# Altium PCB OCP-TimeCardMini-TI_V1.PcbDoc (part 7 of 11)
Units mil, origin at the board's own origin, x right, y up, seen from the top; angles counter-clockwise.
Board outline 5300.46 x 4396.02 mil, 10 copper layers (L01-TOP, L02-GND, L03-SIG, L04-GND, L05-PWR, L06-PWR, L07-GND, L08-SIG, L09-GND, L10-BOT), stack 77.164 mil thick; 832 components, 574 nets, 2904 pads, 1473 vias.
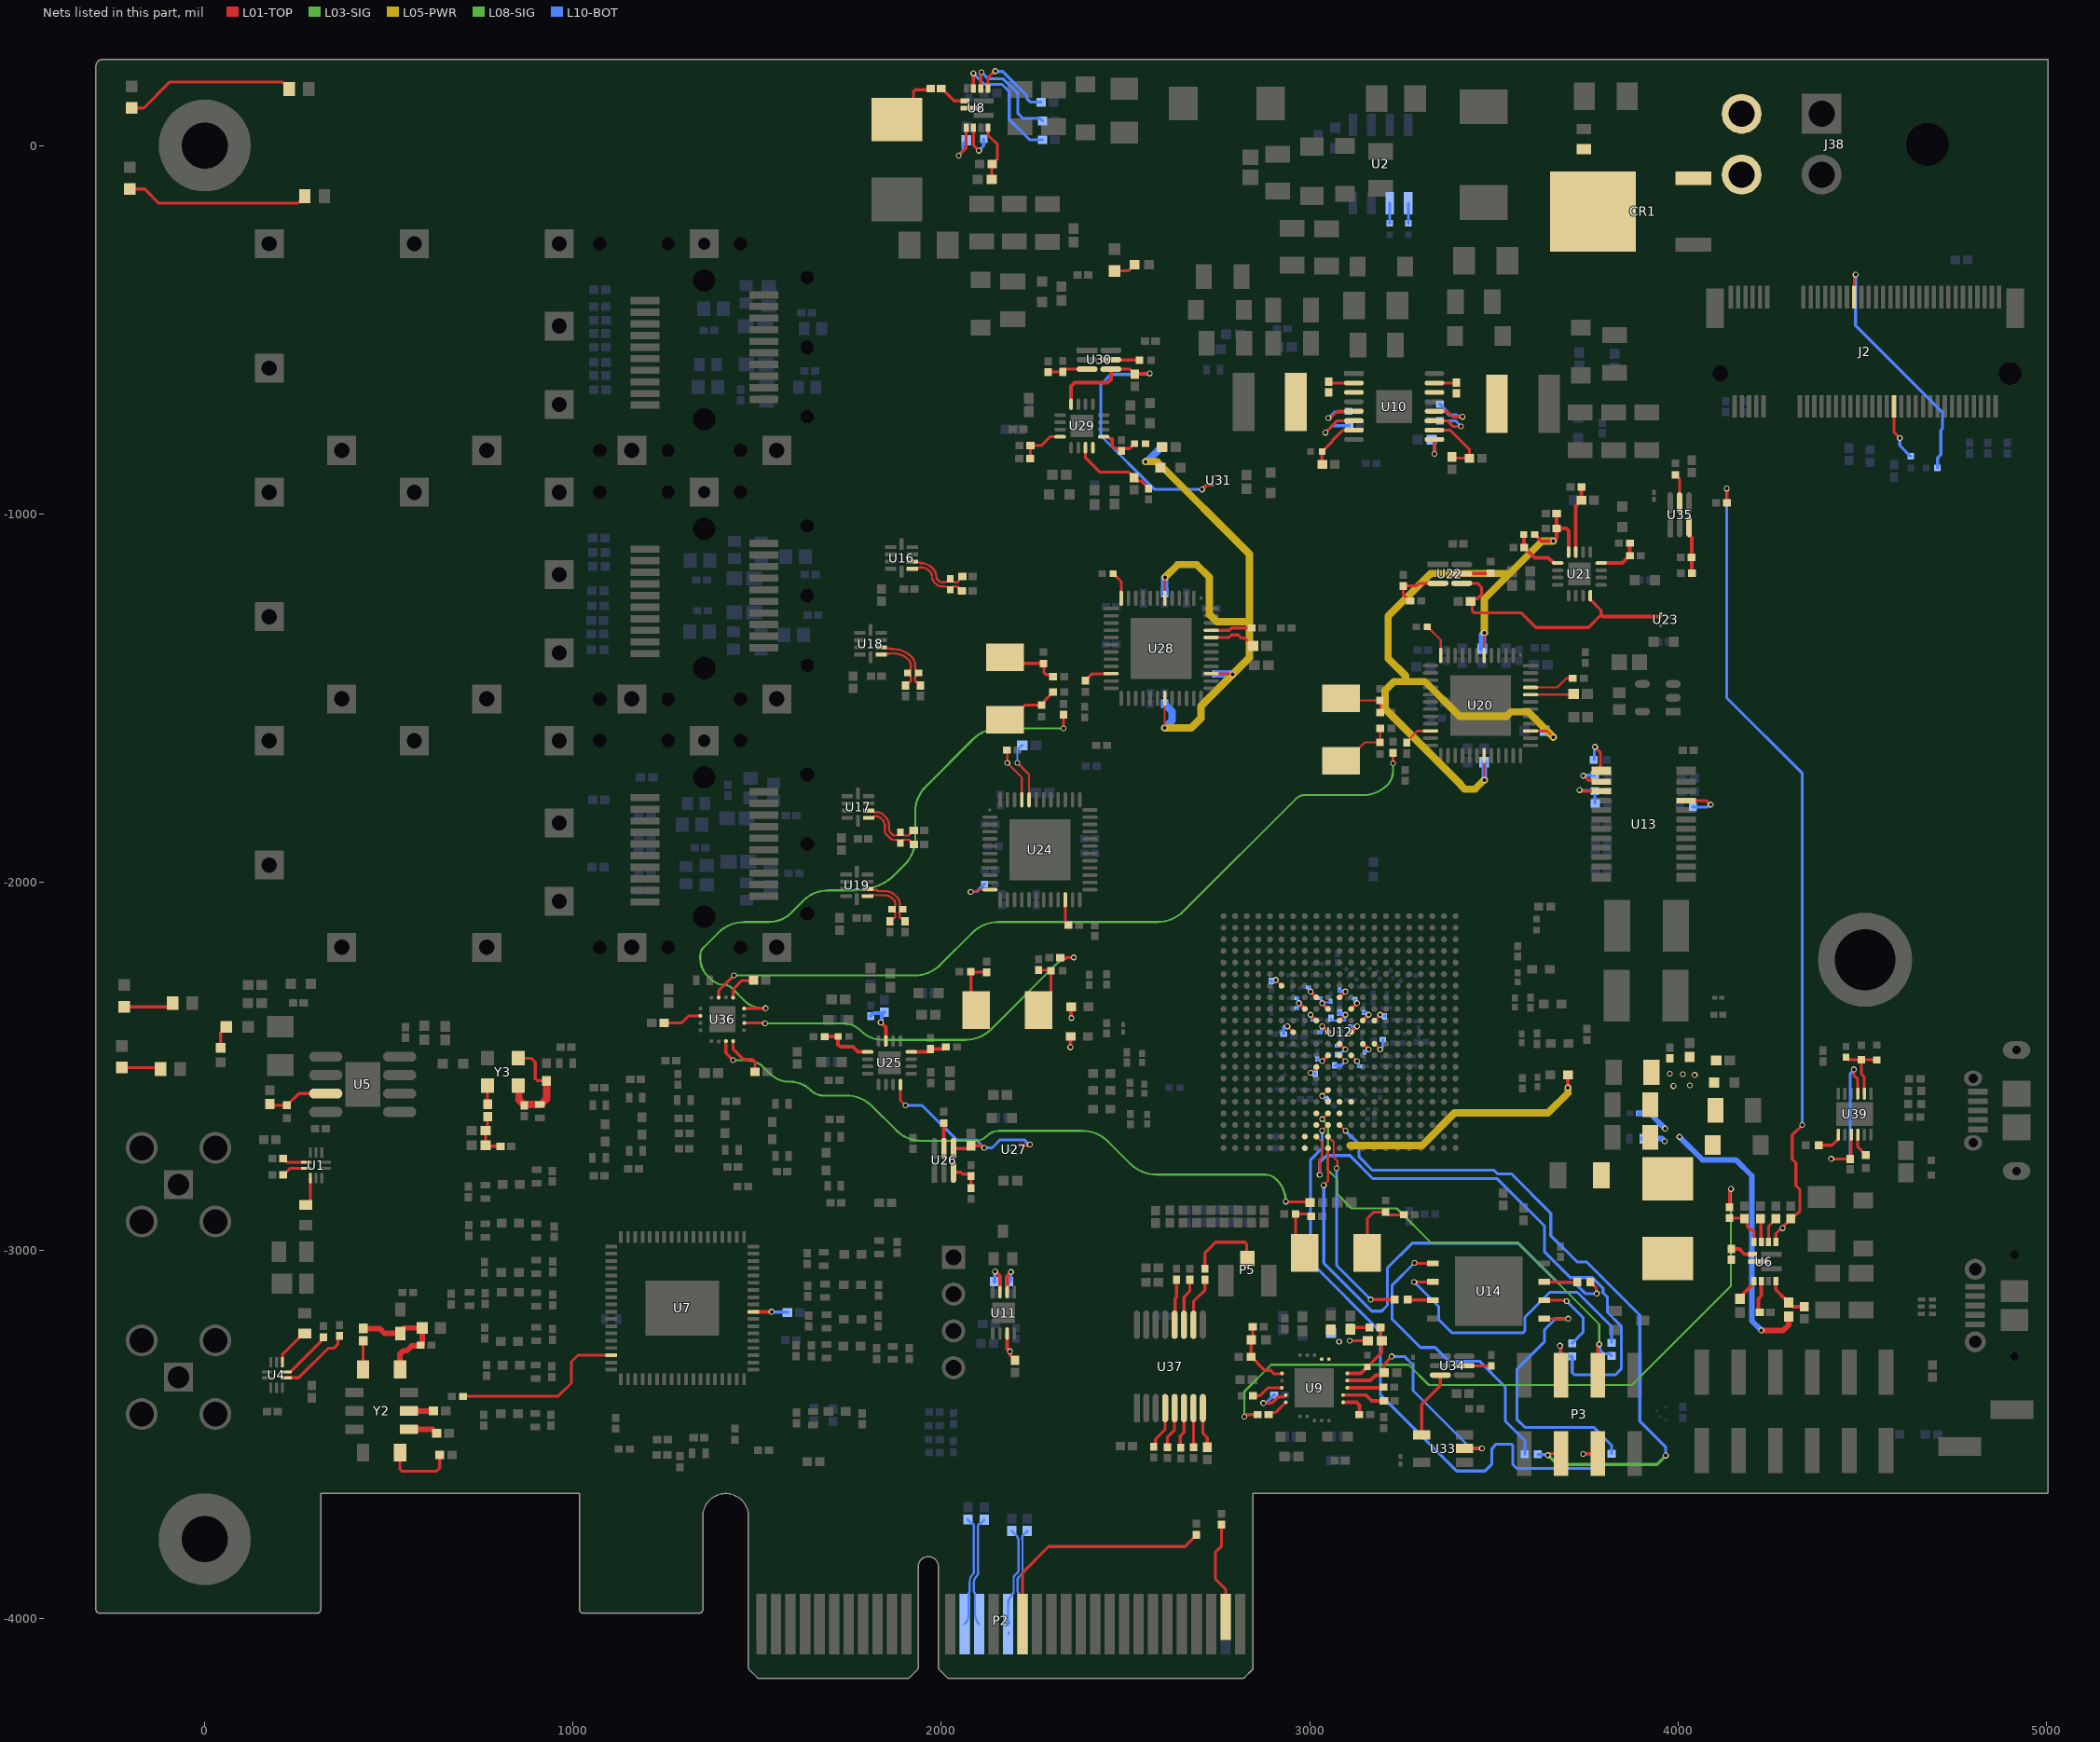
[diagram p15: the nets of this part, all layers, seen from the top]

## Via types
v1: diameter 16, hole 10, L01-TOP to L10-BOT, 1131 vias
v2: diameter 16, hole 10, L01-TOP to L10-BOT, tented both sides, 213 vias
v3: diameter 16, hole 10, L01-TOP to L10-BOT, tented top, 116 vias
v4: diameter 23.62, hole 11.81, L01-TOP to L10-BOT, 9 vias
v5: diameter 25.98, hole 12.99, L01-TOP to L10-BOT, tented top, 4 vias

## Nets (pads, with @x,y where several pads share a name; then routed paths per layer and width w, separated by ;. In a path a pad name is that pad's centre, name@x,y a point inside that pad or via, vN(x,y) a via of type N, cw(c..) or ccw(c..) an arc to the next point about the centre after c; other vN are vias at no path point) (continued)
NetC44_1: C44.1 P2.A13 | length 298.2
  L10-BOT w6: P2.A13@2062.99,-4014.27 ccw(c2036.44,-3987.71) 2073.99,-3987.71 2073.99,-3933.71 cw(c2083.78,-3933.71) 2076.86,-3926.8 2076.86,-3901.77 cw(c2112.42,-3901.77) 2087.27,-3876.62 ; C44.1@2071.96,-3730.81 ccw(c2073.86,-3730.81) 2072.51,-3732.15 2080.39,-3740.03 ccw(c2083.2,-3737.23) 2083.2,-3741.2 cw(c2083.2,-3745.16) 2086,-3742.36 cw(c2080.32,-3748.04) 2088.35,-3748.04 2088.35,-3874.06 cw(c2084.78,-3874.06) 2087.31,-3876.59
NetC45_1: C45.1 P2.A14 | length 298.1
  L10-BOT w6: P2.A14@2102.36,-4014.27 cw(c2128.92,-3987.71) 2091.36,-3987.71 2091.36,-3934.07 ccw(c2081.07,-3934.07) 2088.35,-3926.8 2088.35,-3901.82 cw(c2112.53,-3901.82) 2095.43,-3884.72 2095.48,-3884.66 ccw(c2084.95,-3874.14) 2099.84,-3874.14 2099.84,-3748.27 cw(c2107.73,-3748.27) 2102.15,-3742.69 cw(c2105.06,-3745.6) 2105.06,-3741.49 ccw(c2105.06,-3737.38) 2107.97,-3740.28 2115.8,-3732.45 ccw(c2114.46,-3731.1) C45.1@2116.36,-3731.1
NetC46_1: C46.1 P2.A16 | length 278.7
  L10-BOT w5: P2.A16@2181.89,-4041 ccw(c2178.22,-4037.33) P2.A16@2183.41,-4037.33
  L10-BOT w6: P2.A16@2181.1,-4014.27 2181.1,-3963.24 cw(c2223.28,-3963.24) 2193.46,-3933.41 ccw(c2186.86,-3926.82) 2196.19,-3926.82 2196.19,-3887.33 cw(c2201.55,-3887.33) 2197.76,-3883.53 2207.58,-3873.71 ccw(c2203.32,-3869.49) 2209.32,-3869.49 2209.32,-3787.62 ccw(c2191.39,-3787.62) 2204.07,-3774.95 2191.88,-3762.76 cw(c2193.23,-3761.42) C46.1@2191.32,-3761.42
  L10-BOT w8: P2.A16@2181.1,-4014.27 ccw(c2175.53,-4008.7) P2.A16@2183.41,-4008.7
NetC47_1: C47.1 P2.A17 | length 283.1
  L10-BOT w6: P2.A17@2220.47,-4014.27 cw(c2247.03,-3987.71) 2209.47,-3987.71 2209.47,-3932.34 ccw(c2201.67,-3932.34) 2207.19,-3926.82 2207.19,-3892.33 cw(c2213.19,-3892.36) 2208.47,-3888.65 cw(c2231.3,-3906.72) 2210.71,-3886.13 2220.26,-3876.59 ccw(c2220.11,-3876.45) 2220.31,-3876.45 2220.32,-3787.62 ccw(c2191.39,-3787.62) 2219.37,-3780.29 cw(c2225.19,-3778.81) 2220.26,-3775.39 2220.56,-3774.95 2232.75,-3762.76 ccw(c2231.4,-3761.42) C47.1@2233.3,-3761.42
  L10-BOT w8: P2.A17@2220.47,-4014.27 ccw(c2206.14,-3999.93) P2.A17@2226.41,-3999.93
NetC62_1: C62.1 L1.1 U6.8
NetC62_2: C62.2 U6.7 | length 63.8
  L01-TOP w10: C62.2@4144.81,-2996.09 4166.49,-2996.09 4180.88,-3010.48 U6.7@4202.68,-3010.48
NetC150_1: C150.1 C151.2 FB5.1 R82.1 Y2.10 | length 331.8
  L01-TOP w15: R82.1@430.14,-3211.82 474.86,-3211.82 488.11,-3225.06 530.79,-3225.06 FB5.1@531.32,-3225.59 531.32,-3220.67 541.48,-3210.51 C150.1@590.36,-3210.51 590.36,-3254.57 587.26,-3257.67 C151.2@585.94,-3257.67 584.14,-3259.47 561.74,-3259.47 548.78,-3272.43 538.92,-3272.43 530.14,-3281.22 Y2.10@530.14,-3322.59
NetC152_1: C152.1 R87.1 R88.2 R89.2 | length 122.2
  L01-TOP w8: R88.2@767.98,-2636.63 767.98,-2669.33 R87.1@762.3,-2675.01 R89.2@762.3,-2714.38 764.94,-2717.03 C152.1@803.26,-2717.03
NetC155_1: C155.1 C156.1 L19.2 Y3.1 Y3.6 | length 305.8
  L01-TOP w8: Y3.1@850.66,-2478.2 886.63,-2478.2 897.22,-2488.79 897.22,-2533.32 903.12,-2539.23 L19.2@928.12,-2539.23
  L01-TOP w20: Y3.6@850.66,-2553.01 853.13,-2555.48 853.13,-2590.77 C156.1@867.15,-2604.79 ; C156.1@867.15,-2606.14 C156.1@867.15,-2604.79 ; L19.2@928.12,-2539.23 928.12,-2588.59 912.65,-2604.06 C155.1@910.5,-2604.06 867.87,-2604.06 C156.1@867.15,-2604.79
NetC161_1: C161.1 L20.1 U8.8 | length 145
  L01-TOP w8: L20.1@1878.77,70.35 1924.45,116.02 1924.45,146.77 1929.13,151.46 1967.14,151.46 C161.1@1970.68,154.99
NetC161_2: C161.2 U8.7 | length 78.1
  L01-TOP w8: C161.2@1999.46,154.99 2000.82,154.99 2034.46,121.35 U8.7@2063.65,121.35
NetC162_1: C162.1 U8.9 | length 134.6
  L01-TOP w8: v1(2047.08,-27.56) 2067.58,-7.05 U8.9@2067.58,48.52
  L10-BOT w8: v1(2047.08,-27.56) 2047.08,-25.4 2058.35,-14.12 2058.35,4.69 C162.1@2067.58,13.93
NetC163_1: C163.1 U8.10 | length 106.1
  L01-TOP w8: U8.10@2087.27,48.52 2087.27,0.67 v1(2101.85,-13.9)
  L10-BOT w8: v1(2101.85,-13.9) 2114.83,-0.92 C163.1@2114.83,18.38
NetC172_1: C172.1 U6.9 | length 63.5
  L01-TOP w10: C172.1@4168.43,-3131.01 4176.67,-3122.77 4176.67,-3118.19 4206.62,-3088.24 U6.9@4206.62,-3083.31
NetC173_1: C173.1 U6.10 | length 89.7
  L01-TOP w10: C173.1@4221.75,-3168.35 4218.43,-3165.03 4218.43,-3131.01 4226.3,-3123.14 U6.10@4226.3,-3083.31
NetC174_2: C174.2 R46.2 R48.2 U9.16 | length 191.6
  L01-TOP w8: C174.2@2845.3,-3207.04 2845.3,-3239.8 R46.2@2842.03,-3243.07 2840.74,-3244.35 R48.2@2840.74,-3289.37 2841.73,-3289.37 2877.98,-3325.63 2893.62,-3325.63 2902.95,-3334.95 2929.3,-3334.95
NetC190_1: C190.1 U9.19 | length 108.9
  L01-TOP w8: v1(2874.13,-3414.33) 2898.25,-3414.33 2914.73,-3397.85 2930.02,-3397.85 U9.19@2935.19,-3392.68
  L10-BOT w8: v1(2874.13,-3414.33) 2875.66,-3412.8 2882.59,-3412.8 2902.71,-3392.68 C190.1@2904.07,-3392.68
NetC191_1: C191.1 U10.2 | length 72.6
  L01-TOP w8: C191.1@3051.18,-641.08 3051.18,-644.7 U10.2@3120.15,-644.7
NetC191_2: C191.2 L21.2 U10.3
NetC192_1: C192.1 L22.1 U10.14
NetC192_2: C192.2 U10.15 | length 60.2
  L01-TOP w8: U10.15@3338.69,-644.7 3398.19,-644.7 C192.2@3398.19,-644.03
NetC193_1: C193.1 R50.1 R52.2 U9.10 | length 186.6
  L01-TOP w8: R52.2@3157.14,-3315.95 3195.66,-3277.43 R50.1@3195.66,-3245.27 3192.29,-3241.89 C193.1@3192.29,-3209.24
  L01-TOP w10: U9.10@3101.93,-3333.62 3139.47,-3333.62 R52.2@3157.14,-3315.95
NetC194_1: C194.1 U9.7 | length 117.5
  L01-TOP w10: U9.7@3090.71,-3392.68 3152.46,-3392.68 3168.64,-3408.86 C194.1@3201.52,-3408.86
NetC195_2: C195.2 U10.6 | length 163.3
  L01-TOP w8: v1(3042.78,-779.55) 3075.27,-747.06 U10.6@3120.15,-747.06
  L10-BOT w8: v1(3042.78,-779.55) 3061.8,-760.53 C195.2@3107.32,-760.53
NetC196_1: C196.1 U10.11 | length 142.5
  L01-TOP w8: U10.11@3338.69,-747.06 3373.93,-747.06 3389.32,-762.45 v1(3411.07,-762.45)
  L10-BOT w8: C196.1@3353.65,-747.06 3395.68,-747.06 v1(3411.07,-762.45)
NetC209_2: C209.2 U10.9 | length 81.2
  L01-TOP w8: v1(3338.69,-837.2) U10.9@3338.69,-798.24
  L10-BOT w8: C209.2@3330.85,-798.24 3338.69,-806.08 v1(3338.69,-837.2)
NetC234_2: C234.2 R109.1 U16.7 | length 177.1
  L01-TOP w6: U16.7@1920.67,-1129.55 ccw(c1926.73,-1123.49) 1926.73,-1132.06 1940.2,-1132.06 cw(c1940.2,-1137.68) 1944.17,-1133.71 1944.28,-1133.71 cw(c1944.28,-1177.06) 1974.94,-1146.41 1977.08,-1148.54 cw(c1955.07,-1170.55) 1986.19,-1170.55 1986.19,-1170.64 ccw(c1996.09,-1170.64) 1989.08,-1177.63 ; 1989.09,-1177.64 1993.53,-1182.07 ccw(c2001.74,-1173.86) 2001.74,-1185.48 2006.65,-1185.48 ccw(c2006.65,-1163.17) 2022.42,-1178.94 2023.23,-1178.14 ccw(c2021.55,-1176.46) R109.1@2023.92,-1176.46 ; R109.1@2024.62,-1178.14 2027.94,-1181.46 ccw(c2037.64,-1171.76) 2037.64,-1185.48 2041.72,-1185.48 ccw(c2041.72,-1178.6) 2046.58,-1183.46 ccw(c2042.96,-1179.84) 2048.08,-1179.84 cw(c2053.2,-1179.84) 2049.58,-1176.22 2054.21,-1171.6 cw(c2056.52,-1173.91) C234.2@2056.52,-1170.64
NetC235_2: C235.2 R109.2 U16.6 | length 174.2
  L01-TOP w6: U16.6@1920.67,-1149.23 cw(c1926.73,-1155.3) 1926.73,-1146.72 1940.49,-1146.72 ccw(c1940.49,-1141.52) 1944.17,-1145.2 cw(c1944.17,-1177.33) 1966.89,-1154.61 1968.89,-1156.6 cw(c1954.86,-1170.64) 1974.7,-1170.64 ; 1974.7,-1170.68 ccw(c1996,-1170.68) 1980.94,-1185.74 1985.42,-1190.21 ccw(c2001.72,-1173.91) 2001.72,-1196.97 2006.65,-1196.97 cw(c2006.65,-1219.28) 2022.41,-1203.49 2023.23,-1204.31 cw(c2021.55,-1205.99) R109.2@2023.92,-1205.99 ; R109.2@2024.62,-1204.31 2027.94,-1200.98 cw(c2037.64,-1210.68) 2037.64,-1196.97 2040.03,-1196.97 cw(c2040.03,-1206.94) 2047.09,-1199.89 cw(c2045.66,-1201.32) 2047.68,-1201.32 ccw(c2049.7,-1201.32) 2048.27,-1202.75 2053.8,-1208.28 ccw(c2056.12,-1205.96) C235.2@2056.12,-1209.24
NetC237_2: C237.2 R114.1 U17.7 | length 174.8
  L01-TOP w6: U17.7@1802.91,-1805.95 1810.1,-1805.95 cw(c1810.1,-1812.94) 1815.05,-1808 ccw(c1820,-1803.05) 1820,-1810.05 1824.97,-1810.05 cw(c1824.97,-1834.83) 1842.49,-1817.31 1848.29,-1823.11 cw(c1824.38,-1847.01) 1858.19,-1847.01 1858.19,-1855.93 ccw(c1873,-1855.93) 1862.53,-1866.4 1866.95,-1870.82 ccw(c1873.77,-1864.01) 1873.77,-1873.64 ccw(c1873.77,-1857.01) 1885.53,-1868.77 1888,-1866.31 ccw(c1886.32,-1864.63) R114.1@1888.69,-1864.63 ; R114.1@1889.39,-1866.31 1892.71,-1869.63 ccw(c1902.41,-1859.93) 1902.41,-1873.65 1906.65,-1873.65 ccw(c1906.65,-1861.26) 1915.41,-1870.02 ccw(c1912.99,-1867.6) 1916.41,-1867.6 cw(c1919.83,-1867.6) 1917.41,-1865.18 1922.53,-1860.06 cw(c1924.85,-1862.37) C237.2@1924.85,-1859.1
NetC238_2: C238.2 R114.2 U17.6 | length 174.1
  L01-TOP w6: U17.6@1802.91,-1825.63 1810.1,-1825.63 ccw(c1810.1,-1818.64) 1815.05,-1823.59 cw(c1820,-1828.53) 1820,-1821.54 1824.91,-1821.54 cw(c1824.91,-1834.96) 1834.4,-1825.47 1840.08,-1831.15 ; 1840.09,-1831.15 cw(c1824.09,-1847.13) 1846.7,-1847.13 1846.7,-1860.73 ccw(c1861.42,-1860.73) 1851.01,-1871.13 1858.86,-1878.98 ccw(c1873.72,-1864.12) 1873.72,-1885.13 ; 1873.77,-1885.13 cw(c1873.77,-1901.77) 1885.53,-1890.01 R114.2@1888,-1892.47 ; R114.2@1888,-1892.48 cw(c1886.32,-1894.15) R114.2@1888.69,-1894.15 ; R114.2@1889.39,-1892.47 1892.71,-1889.15 cw(c1902.41,-1898.85) 1902.41,-1885.13 1908.98,-1885.13 cw(c1908.98,-1895.18) 1916.08,-1888.08 cw(c1914.69,-1889.46) 1916.65,-1889.46 ccw(c1918.61,-1889.46) 1917.22,-1890.84 1922.77,-1896.39 ccw(c1925.09,-1894.08) C238.2@1925.09,-1897.35
NetC240_2: C240.2 R116.1 U18.7 | length 182
  L01-TOP w6: U18.7@1836.92,-1362.55 ccw(c1842.98,-1356.49) 1842.98,-1365.06 1856.99,-1365.06 cw(c1856.99,-1372.61) 1862.32,-1367.27 1869.41,-1367.27 cw(c1869.41,-1436.75) 1918.53,-1387.62 1918.7,-1387.78 cw(c1894.36,-1412.12) 1928.78,-1412.12 1928.78,-1414.27 ccw(c1951.44,-1414.27) 1935.42,-1430.3 1936.12,-1431 ccw(c1937.8,-1429.32) R116.1@1937.8,-1431.69 ; R116.1@1936.12,-1432.39 1932.8,-1435.71 ccw(c1942.49,-1445.39) 1928.79,-1445.39 1928.79,-1451.04 ccw(c1935.74,-1451.04) 1930.83,-1455.96 ccw(c1934.4,-1452.39) 1934.4,-1457.44 cw(c1934.4,-1462.48) 1937.96,-1458.91 1942.61,-1463.56 cw(c1940.29,-1465.87) C240.2@1943.57,-1465.87
NetC241_2: C241.2 R116.2 U18.6 | length 163.6
  L01-TOP w6: U18.6@1836.92,-1382.23 cw(c1842.98,-1388.3) 1842.98,-1379.72 1860,-1379.72 ccw(c1860,-1376.44) 1862.32,-1378.76 1869.23,-1378.76 cw(c1869.23,-1437.17) 1910.53,-1395.87 cw(c1894.22,-1412.18) 1917.29,-1412.18 1917.29,-1414.27 cw(c1894.63,-1414.27) 1910.65,-1430.3 1909.95,-1431 cw(c1908.27,-1429.32) R116.2@1908.27,-1431.69 ; C241.2@1902.52,-1465.88 cw(c1905.8,-1465.88) 1903.48,-1463.56 1908.13,-1458.92 cw(c1911.7,-1462.48) 1911.7,-1457.44 ccw(c1911.7,-1452.39) 1915.26,-1455.96 ccw(c1910.35,-1451.04) 1917.3,-1451.04 1917.3,-1445.43 ccw(c1903.57,-1445.43) 1913.28,-1435.72 R116.2@1909.95,-1432.39
NetC243_2: C243.2 R129.1 U19.7 | length 167.4
  L01-TOP w6: U19.7@1799.47,-2018.39 ccw(c1805.53,-2012.32) 1805.53,-2020.9 1820.88,-2020.9 cw(c1820.88,-2028.59) 1826.32,-2023.15 ccw(c1828.54,-2020.94) 1828.54,-2024.07 1846.7,-2024.07 cw(c1846.7,-2062.8) 1874.09,-2035.41 1879.82,-2041.14 cw(c1863.88,-2057.08) 1886.42,-2057.08 1886.42,-2057.16 ccw(c1906,-2057.16) 1892.15,-2071 1893.76,-2072.6 ccw(c1895.44,-2070.92) R129.1@1895.44,-2073.3 ; R129.1@1893.76,-2074 1890.43,-2077.32 ccw(c1900.14,-2087.04) 1886.4,-2087.04 1886.4,-2091.86 ccw(c1893.51,-2091.86) 1888.49,-2096.89 ccw(c1891.95,-2093.43) 1891.95,-2098.32 cw(c1891.95,-2103.21) 1895.4,-2099.75 1900.1,-2104.44 cw(c1897.78,-2106.76) C243.2@1901.05,-2106.76
NetC244_2: C244.2 R129.2 U19.6 | length 148.8
  L01-TOP w6: U19.6@1799.47,-2038.07 1803,-2035.56 1846.65,-2035.56 cw(c1846.7,-2062.8) 1866,-2043.58 1871.74,-2049.31 cw(c1863.88,-2057.08) 1874.93,-2057.08 1874.93,-2063.12 cw(c1852.09,-2053.03) 1872.48,-2067.44 R129.2@1865.91,-2073.3 ; C244.2@1860.26,-2106.76 cw(c1863.54,-2106.76) 1861.22,-2104.44 1865.92,-2099.75 cw(c1869.37,-2103.21) 1869.37,-2098.32 ccw(c1869.37,-2093.43) 1872.83,-2096.89 ccw(c1867.81,-2091.86) 1874.91,-2091.86 1874.91,-2086.99 ccw(c1861.22,-2086.99) 1870.9,-2077.31 R129.2@1867.59,-2074
NetC273_1: C273.1 U22.5 | length 79.5
  L01-TOP w8: U22.5@3412.72,-1163.07 3413.89,-1161.9 3490.06,-1161.9 C273.1@3491.23,-1160.73
NetC302_1: C302.1 U26.5 | length 68.6
  L01-TOP w10: C302.1@2006.62,-2654.77 2006.84,-2654.98 2006.84,-2722.98 U26.5@2007.06,-2723.2
NetC331_1: C331.1 U30.5 | length 78.2
  L01-TOP w8: U30.5@2460.21,-581.6 2461.1,-582.48 2536.81,-582.48 C331.1@2537.7,-583.37
NetC332_2: C332.2 U12.H10 | length 37.6
  L01-TOP w5.8: U12.H10@3175.71,-2375.82 v2(3191.45,-2360.07)
  L10-BOT w8: v2(3191.45,-2360.07) 3192.99,-2361.6 3202.58,-2361.6 C332.2@3205.13,-2364.15
NetC333_2: C333.2 U12.H12 | length 52.2
  L01-TOP w5.8: U12.H12@3175.71,-2438.81 v2(3191.45,-2454.56)
  L10-BOT w8: v2(3191.45,-2454.56) 3191.45,-2453.11 3198.39,-2446.18 C333.2@3198.39,-2427.51
NetC334_2: C334.2 U12.T7 | length 39.7
  L01-TOP w5.8: v2(2907.99,-2265.58) U12.T7@2923.74,-2281.33
  L10-BOT w8: C334.2@2893.81,-2268.84 2907.99,-2268.84 v2(2907.99,-2265.58)
NetC335_2: C335.2 U12.R11 | length 53.2
  L01-TOP w5.8: v2(2939.49,-2391.57) U12.R11@2955.23,-2407.31
  L10-BOT w8: C335.2@2929.59,-2412.56 2929.59,-2391.57 v2(2939.49,-2391.57)
NetC336_2: C336.2 U12.N14 | length 35.9
  L01-TOP w5.8: v2(3002.48,-2517.55) U12.N14@3018.23,-2501.8
  L10-BOT w8: v2(3002.48,-2517.55) 3004.01,-2519.08 3013.23,-2519.08 C336.2@3014.81,-2520.66
NetC337_2: C337.2 U12.M16 | length 40.3
  L01-TOP w5.8: v2(3033.97,-2580.54) U12.M16@3049.72,-2564.79
  L10-BOT w5.8: v2(3033.97,-2580.54) 3036.46,-2580.54 3045.71,-2589.8 C337.2@3048.2,-2589.8
NetC339_2: C339.2 U12.L13 | length 56.3
  L01-TOP w5.8: U12.L13@3081.22,-2470.31 v2(3096.97,-2486.05)
  L10-BOT w8: C339.2@3067.8,-2497.87 3085.15,-2497.87 v2(3096.97,-2486.05)
NetC432_1: C432.1 U34.5 | length 74.1
  L01-TOP w8: U34.5@3419.43,-3312.91 3419.8,-3313.28 3492.86,-3313.28 C432.1@3493.23,-3313.65
NetC433_1: C433.1 U35.5 | length 81.4
  L01-TOP w8: C433.1@3992.58,-893.7 4004.47,-905.59 U35.5@4004.47,-970.17
NetC443_2: C443.2 R211.1 Y1.1 | length 159.9
  L01-TOP w8: Y1.1@2986.42,-3006.43 2962.18,-2982.19 C443.2@2962.18,-2901.37 2997.19,-2901.37 3003.42,-2907.6 R211.1@3004.4,-2907.6
NetC444_2: C444.2 R212.1 Y1.2 | length 203.1
  L01-TOP w8: Y1.2@3155.71,-3006.43 3156.69,-3005.45 3156.69,-2913.43 3174.4,-2895.72 C444.2@3205.5,-2895.72 3212.96,-2903.17 R212.1@3256.01,-2903.17
NetC449_2: C449.2 R218.1 Y4.1 | length 165
  L01-TOP w5.8: Y4.1@3085.25,-1670.72 3099.03,-1670.72 3149.41,-1620.34 C449.2@3191.09,-1620.34 3191.09,-1583.19 R218.1@3191.9,-1582.37
NetC450_2: C450.2 R219.1 Y4.2 | length 141.2
  L01-TOP w5.8: Y4.2@3085.25,-1501.43 3090.34,-1506.52 C450.2@3190.65,-1506.52 3191.9,-1507.77 R219.1@3191.9,-1539.67
NetC452_2: C452.2 R228.1 Y5.1 | length 164.7
  L01-TOP w8: Y5.1@2172.9,-1559.4 2186.68,-1559.4 2226.77,-1519.31 C452.2@2272.43,-1519.31 2278.66,-1513.07 2278.66,-1508.1 2302.56,-1484.2 R228.1@2303.54,-1484.2
NetC453_2: C453.2 R229.1 Y5.2 | length 166.4
  L01-TOP w8: Y5.2@2172.9,-1390.11 2189.04,-1406.25 C453.2@2277.56,-1406.25 2278.75,-1407.45 2278.75,-1431.69 2283.44,-1436.38 2297.7,-1436.38 R229.1@2303.54,-1442.22
NetC455_2: C455.2 R238.1 Y6.1 | length 156
  L01-TOP w8: Y6.1@2263.78,-2347.36 2263.78,-2333.58 2297.85,-2299.51 C455.2@2297.85,-2240.09 2297.19,-2239.43 2264.44,-2239.43 R238.1@2263.78,-2238.78
NetC456_2: C456.2 R239.1 Y6.2 | length 153.6
  L01-TOP w8: Y6.2@2094.49,-2347.36 2080.31,-2333.18 C456.2@2080.31,-2243.16 2081.49,-2244.34 2121.64,-2244.34 R239.1@2122.82,-2245.53
NetC462_1: C462.1 R249.1 R250.2 U39.2 | length 182.2
  L01-TOP w8: R249.1@4455.83,-2475.49 4455.83,-2476.48 4461.71,-2482.35 C462.1@4498.03,-2482.35 ; U39.2@4505.89,-2574.13 4505.89,-2528.91 4498.03,-2521.06 C462.1@4498.03,-2482.35 ; R250.2@4539.42,-2482.85 4539.17,-2482.6 4498.28,-2482.6 C462.1@4498.03,-2482.35
NetC463_1: C463.1 C464.1 U39.3 U39.9 | length 486.9
  L01-TOP w8: v1(4416.21,-2751.45) 4467.15,-2751.45 C463.1@4467.36,-2751.24 4470.31,-2748.29 4470.31,-2685.74 U39.9@4470.45,-2685.59 ; v1(4477.46,-2508.23) 4477.46,-2524.36 4488.17,-2535.07 U39.3@4488.17,-2574.13
  L10-BOT w8: v1(4416.21,-2751.45) 4416.31,-2751.34 4467.25,-2751.34 C464.1@4467.36,-2751.24 4467.36,-2520.49 4477.46,-2510.39 v1(4477.46,-2508.23)
NetCR1_2: CR1.2 F1.1
NetCR1_3: CR1.3 J38.3 J38.4
NetD2_1: D2.1 R31.2 | length 62.7
  L01-TOP w8: R31.2@43.19,-2449.47 43.19,-2409.06 D2.1@58.94,-2393.32
NetD3_1: D3.1 R35.2 | length 466.8
  L01-TOP w8: D3.1@-198.79,101.72 -165.99,101.72 -95.47,172.24 210.63,172.24 214.63,168.24 217.58,168.24 229.33,156.5 R35.2@229.33,153.54
NetD9_1: D9.1 R36.2 | length 500.8
  L01-TOP w8: D9.1@-203.78,-118.11 -163.39,-118.11 -125,-156.5 252.95,-156.5 256.95,-152.5 259.91,-152.5 271.65,-140.75 R36.2@271.65,-137.8
NetD10_1: D10.1 R38.2 | length 136
  L01-TOP w8: D10.1@-218.85,-2338.49 -97.36,-2338.49 R38.2@-87.11,-2328.24
NetD11_1: D11.1 R39.2 | length 105.8
  L01-TOP w8: D11.1@-224.71,-2503.49 -124.44,-2503.49 R39.2@-120.51,-2507.43
NetD12_1: D12.1 R142.2 | length 61.4
  L01-TOP w8: D12.1@2470.18,-340.08 2508.26,-340.08 2524.68,-323.65 R142.2@2524.68,-323.57
NetJ2_35: J2.35 R98.1 | length 690.5
  L01-TOP w7.27: J2.35@4478.35,-411.43 4478.35,-356.84 4482.28,-352.9 v1(4482.28,-350.54)
  L10-BOT w8: v1(4482.28,-350.54) 4482.28,-488.83 4718.5,-725.05 4718.5,-767.76 4713.58,-772.68 4713.58,-839.03 4704.72,-847.89 R98.1@4704.72,-875
NetJ2_46: J2.46 R102.1 | length 154
  L01-TOP w8: J2.46@4586.61,-708.68 4586.61,-778.38 v1(4602.36,-794.13)
  L10-BOT w8: v1(4602.36,-794.13) 4602.36,-814.43 R102.1@4631.89,-843.95
NetP2_B17: P2.B17 R23.2 | length 655.1
  L01-TOP w8: P2.B17@2220.47,-4014.27 2220.47,-3874.52 2291.14,-3803.85 2661.89,-3803.85 2674.29,-3791.45 2674.29,-3791.07 2692.54,-3772.83 R23.2@2692.54,-3771.84
NetP2_B31: P2.B31 R24.2 | length 268.6
  L01-TOP w8: R24.2@2760.88,-3744.49 2760.88,-3802.19 2744.17,-3818.9 2744.17,-3892.07 2771.65,-3919.55 P2.B31@2771.65,-3994.77
NetP5_1: P5.1 R233.2 | length 210.5
  L01-TOP w8: R233.2@2715.83,-3049.97 2715.83,-3006.68 2744.87,-2977.64 2824.15,-2977.64 2828.83,-2982.33 2828.83,-3019.76 P5.1@2830.79,-3021.71
NetR32_1: R32.1 R34.2 U5.3 | length 166.9
  L01-TOP w8: R32.1@176.62,-2602.41 180.33,-2606.12 R34.2@223.18,-2606.12 255.49,-2573.81 328.41,-2573.81 U5.3@328.56,-2573.96
NetR33_1: R33.1 U4.3 | length 105.5
  L01-TOP w8: U4.3@211.04,-3303.65 211.04,-3282.44 267.89,-3225.59 R33.1@271.83,-3225.59
NetR40_2: R40.2 U6.4 | length 71.7
  L01-TOP w8: U6.4@4245.99,-2977.02 4245.99,-2934.1 4265.67,-2914.42 R40.2@4265.67,-2913.43
NetR41_1: R41.1 R43.2 U6.12 | length 121
  L01-TOP w10: U6.12@4265.67,-3083.31 4265.67,-3106.72 4291.96,-3133 4292.94,-3133 4300.74,-3140.8 R41.1@4300.74,-3141.78 4300.74,-3142.76 4308.53,-3150.56 4309.52,-3150.56 4311.56,-3152.61 R43.2@4343.08,-3152.61
NetR42_2: R42.2 U6.5 | length 64.4
  L01-TOP w8: R42.2@4224.33,-2913.43 4225.32,-2914.42 4225.32,-2976.03 U6.5@4226.3,-2977.02
NetR47_1: R47.1 U9.18 | length 87.7
  L01-TOP w8: R47.1@2845.55,-3394.49 2864.6,-3394.49 2886.1,-3372.99 U9.18@2924.37,-3372.99
NetR49_1: R49.1 U9.20 | length 60.6
  L01-TOP w8: R49.1@2888.41,-3445.79 2894.25,-3439.95 2907.61,-3439.95 U9.20@2935.19,-3412.36
NetR51_1: R51.1 U9.8 | length 98.8
  L01-TOP w10: U9.8@3101.93,-3372.99 3197.73,-3372.99 R51.1@3199.84,-3370.88
NetR53_1: R53.1 U9.6 | length 72.9
  L01-TOP w10: U9.6@3090.71,-3412.36 3127.07,-3412.36 3134.64,-3419.94 R53.1@3134.64,-3445.79
NetR54_2: R54.2 U10.12 | length 160.2
  L01-TOP w8: U10.12@3338.69,-721.47 3372.76,-721.47 3388.11,-736.83 3414.31,-736.83 v1(3414.58,-736.55)
  L10-BOT w8: R54.2@3353.45,-702.59 3354.44,-702.59 3371.59,-719.75 3371.59,-724.23 3378.88,-731.52 3398.53,-731.52 3402.03,-735.02 3413.05,-735.02 v1(3414.58,-736.55)
NetR55_2: R55.2 U10.5 | length 139.6
  L01-TOP w8: v1(3050.58,-739.9) 3056.2,-739.9 3072.7,-723.41 3074.96,-723.41 3076.89,-721.47 U10.5@3120.15,-721.47
  L10-BOT w8: v1(3050.58,-739.9) 3067.08,-723.41 3103.45,-723.41 R55.2@3105.39,-721.47
NetR56_1: R56.1 R61.2 U10.10 | length 196.8
  L01-TOP w8: U10.10@3338.69,-772.65 3381.01,-772.65 3434.11,-825.76 R56.1@3434.11,-849.01 3389.61,-849.01 R61.2@3386.07,-845.47 ; R61.2@3384.96,-837.6 3384.96,-838.58 R61.2@3388.96,-842.58
NetR57_2: R57.2 R60.2 U10.7 | length 147.5
  L01-TOP w8: R60.2@3034.45,-866.14 3033.41,-865.1 R57.2@3033.41,-831.54 3062.76,-802.19 3062.76,-799.84 3089.95,-772.65 U10.7@3120.15,-772.65
NetR58_1: R58.1 U7.27 | length 92.7